# KiCad board AmigaPCI Mainboard.kicad_pcb (continued)
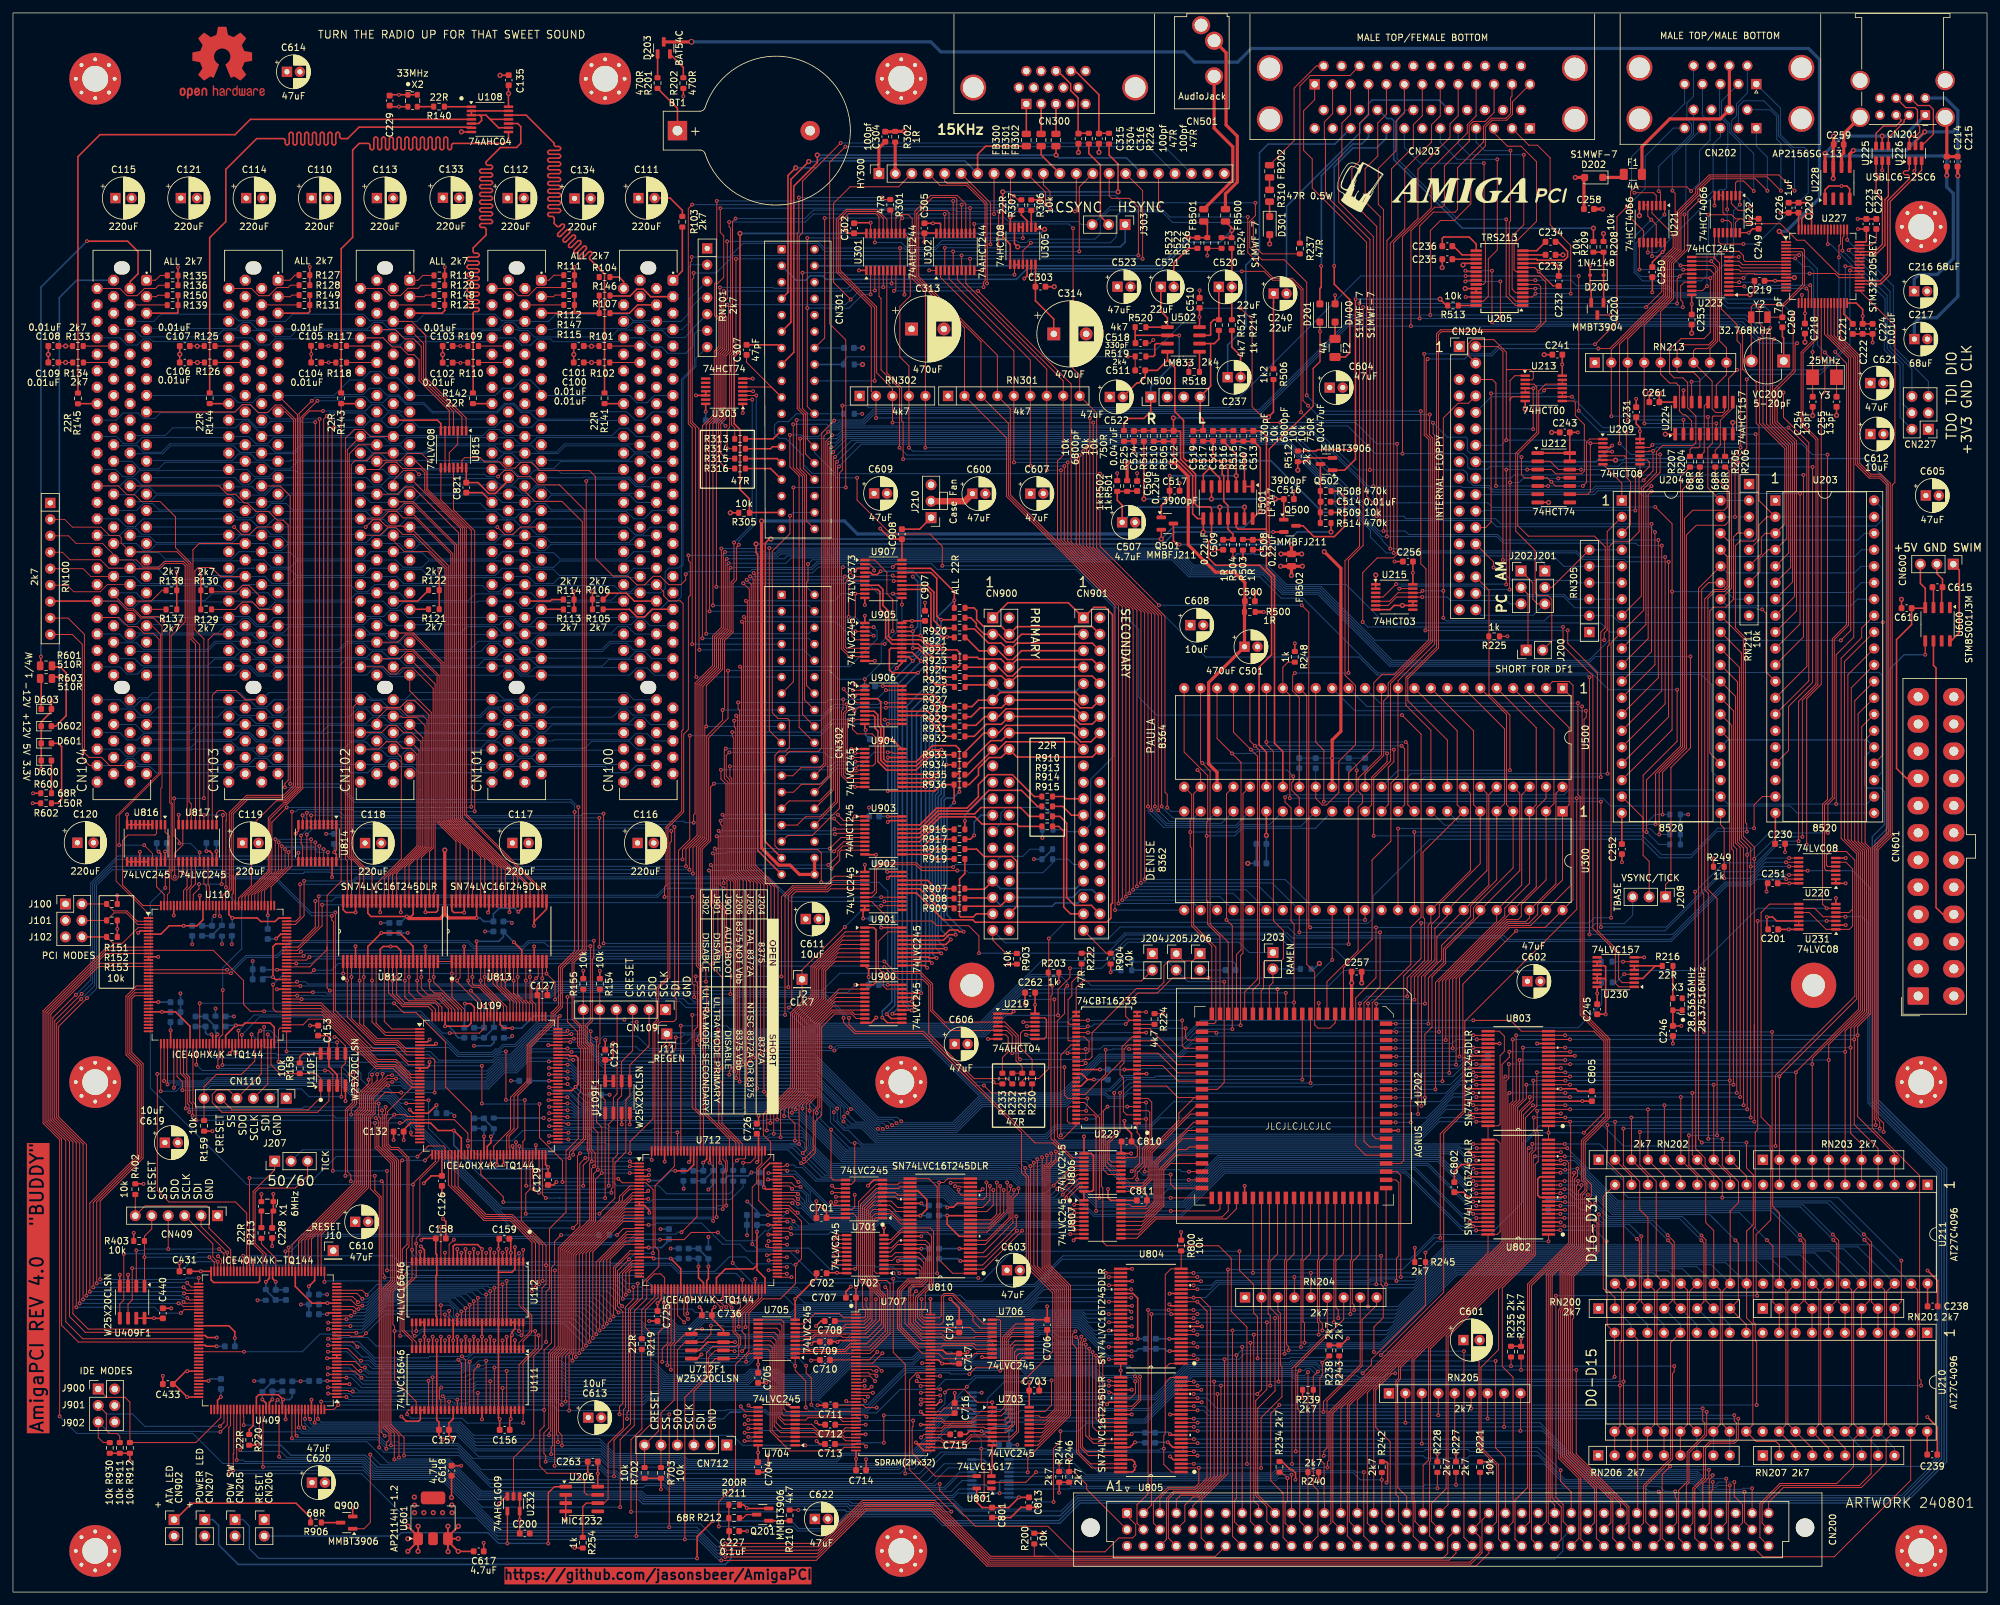
[diagram p0: board, top side]
## Copper pours and planes (outline as drawn; the poured copper is in the pictures) (continued)
AUDIO on In1.Cu: 175.52,205.03 168.48,205.02 168.46,159.55 205.42,159.58 205.39,176.69 193.27,176.7 193.28,182.76 190.65,182.75 190.65,215.79 175.51,215.77

## Text on the board
Top: https://github.com/jasonsbeer/AmigaPCI | AmigaPCI REV 4.0   {dblquote}BUDDY{dblquote}
F.Silkscreen: JLCJLCJLCJLC | J100 | J101 | J102 | J902 | J900 | J901 | + | ALL 2k7 | CN203 | VSYNC/TICK | 1/4W | ALL 22R | AGNUS | 28.37516MHz | -12V +12V 5V 3.3V | CRESET / SS / SDO / SCLK / SDI / GND | TURN THE RADIO UP FOR THAT SWEET SOUND | DENISE | PAULA | +5V GND SWIM | PRIMARY | SECONDARY | ARTWORK 240801 | 50/60 | CSYNC | A1 | HSYNC | D0-D15 | D16-D31 | TDO TDI DIO | +3V3 GND CLK | 1 | 15KHz | R | L | AM | PC
